# Altium PCB UZ_A_MAX11331_Adapter.PcbDoc (part 1 of 2) (continued)
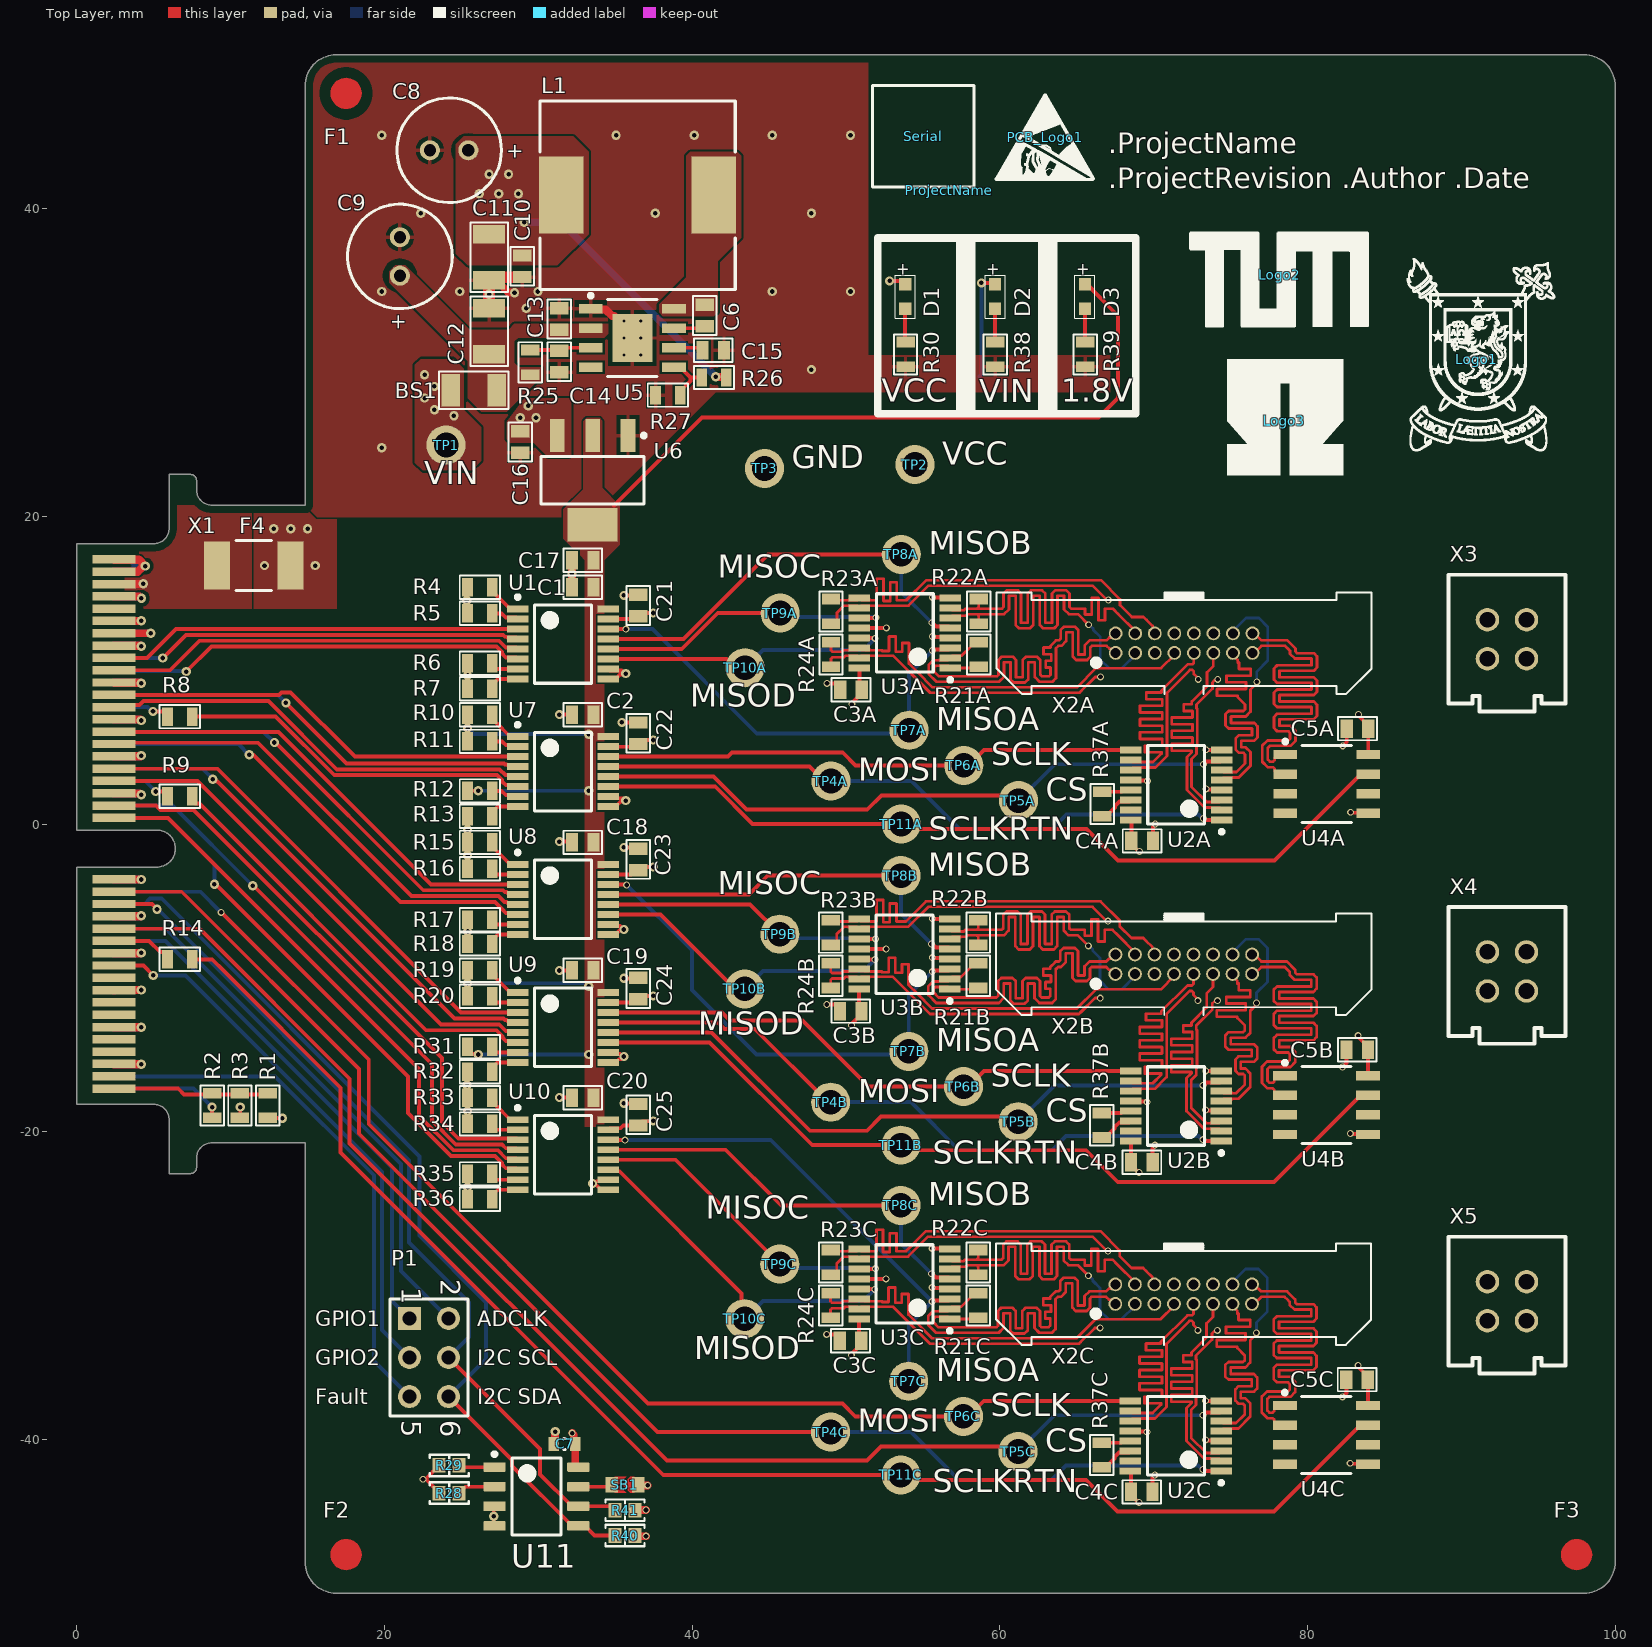
[diagram p0: Top Layer view]
## Components (designator, comment, footprint, x,y, rotation, side; value= is the part's Value field where it differs from the comment)
BS1 "Ferrite bead" RES_1206 24.305,28.194 r270 top
C1 "100nF" CAP_0603 33.581,15.4 r270 top
C2 "100nF" CAP_0603 33.581,7.1 r270 top
C3A "100nF" CAP_0603 51.024,8.719 r270 top (schematic designator C3)
C3B "100nF" CAP_0603 51.005,-12.16 r270 top (schematic designator C3)
C3C "100nF" CAP_0603 50.999,-33.603 r270 top (schematic designator C3)
C4A "100nF" CAP_0603 68.553,-1.102 r90 top (schematic designator C4)
C4B "100nF" CAP_0603 68.533,-21.981 r90 top (schematic designator C4)
C4C "100nF" CAP_0603 68.528,-43.423 r90 top (schematic designator C4)
C5A "100nF" CAP_0603 83.954,6.205 r270 top (schematic designator C5)
C5B "100nF" CAP_0603 83.934,-14.674 r270 top (schematic designator C5)
C5C "100nF" CAP_0603 83.929,-36.116 r270 top (schematic designator C5)
C6 "100nF" CAP_0603 40.808,33.759 r0 top
C7 "100 nF" C_0603 31.7,-40.3 r180 top
C8 "68µF" WCAP-ATG8_6.3X11 24.2,43.8 r0 top
C9 "68µF" WCAP-ATG8_6.3X11 21,36.9 r270 top
C10 "100nF" CAP_0603 28.956,36.957 r0 top
C11 "10µF" RES_1206 26.797,38.354 r180 top
C12 "10µF" RES_1206 26.797,30.528 r0 top
C13 "100nF" CAP_0603 31.368,32.129 r180 top
C14 "1µF" CAP_0603 31.368,30.759 r0 top
C15 "1µF" CAP_0603 40.667,30.806 r90 top
C16 "1µF" CAP_0603 28.829,25.53 r0 top
C17 "1µF" CAP_0603 33.581,17.145 r270 top
C18 "100nF" CAP_0603 33.581,-1.2 r270 top
C19 "100nF" CAP_0603 33.581,-9.5 r270 top
C20 "100nF" CAP_0603 33.581,-17.8 r270 top
C21 "100nF" CAP_0603 36.5,13.5 r180 top
C22 "100nF" CAP_0603 36.5,5.2 r180 top
C23 "100nF" CAP_0603 36.5,-3 r180 top
C24 "100nF" CAP_0603 36.5,-11.4 r180 top
C25 "100nF" CAP_0603 36.5,-19.6 r180 top
D1 "Bright Green, 2V" WL-SMCW_0603_H=0.7MM 53.848,34.29 r90 top
D2 "Blue, 3.2V" WL-SMCW_0603_H=0.7MM 59.69,34.29 r90 top
D3 "Super Red, 1.9V" WL-SMCW_0603_H=0.7MM 65.532,34.29 r90 top
F1 "Fiducial" FIDUCIAL_1.7MM 17.5,47.5 r0 top
F2 "Fiducial" FIDUCIAL_1.7MM 17.5,-47.5 r0 top
F3 "Fiducial" FIDUCIAL_1.7MM 97.5,-47.5 r0 top
F4 "Littelfuse_PTC_1812" 1812_PTC_Polyfuse_Littelfuse 11.5,16.8 r0 top value="PTC, 1.1 A, 24V"
L1 "15uH" SMT_INDUCTOR_1050_PERFORMANCE 36.449,40.894 r270 top
Logo1 "LOGO USACH" "LOGO USACH" 91,30.2 r0 top
Logo2 "LOGO TUM" "LOGO TUM" 78.2,35.7 r0 top
Logo3 "LOGO G.S. Ohm" "LOGO G.S.OHM UNIVERSITY" 78.5,26.2 r0 top
P1 "Header 3X2" HDR2X3 21.62,-32.144 r270 top
PCB_Logo1 "ESD Susceptible" ESD_OVERLAY_MEDIUM 62.941,44.638 r0 top
ProjectName "Project Name, Rev" ID_PROJECTREV 56.7,41.2 r0 top
R1 "DNP" RES_0603 12.4,-17.5 r0 top value=0
R2 "0R" RES_0603 8.8,-19.1 r180 top
R3 "DNP" RES_0603 10.6,-17.5 r0 top value=0
R4 "10k" RES_0603 25.4,15.4 r90 top
R5 "10k" RES_0603 25.4,13.694 r90 top
R6 "10k" RES_0603 25.4,10.45 r90 top
R7 "10k" RES_0603 25.4,8.8 r90 top
R8 "0R" RES_0603 7.493,6.985 r270 top
R9 "0R" RES_0603 7.493,1.8 r270 top
R10 "10k" RES_0603 25.4,7.1 r90 top
R11 "10k" RES_0603 25.4,5.368 r90 top
R12 "10k" RES_0603 25.4,2.15 r90 top
R13 "10k" RES_0603 25.4,0.5 r90 top
R14 "0R" RES_0603 5.893,-8.8 r90 top
R15 "10k" RES_0603 25.4,-1.2 r90 top
R16 "10k" RES_0603 25.4,-2.9 r90 top
R17 "10k" RES_0603 25.4,-6.226 r90 top
R18 "10k" RES_0603 25.4,-7.8 r90 top
R19 "10k" RES_0603 25.4,-9.5 r90 top
R20 "10k" RES_0603 25.4,-11.2 r90 top
R21A "100R" RES_0603 58.624,10.219 r180 top (schematic designator R21)
R21B "100R" RES_0603 58.605,-10.66 r180 top (schematic designator R21)
R21C "100R" RES_0603 58.599,-32.103 r180 top (schematic designator R21)
R22A "100R" RES_0603 58.624,14.619 r0 top (schematic designator R22)
R22B "100R" RES_0603 58.605,-6.26 r0 top (schematic designator R22)
R22C "100R" RES_0603 58.599,-27.703 r0 top (schematic designator R22)
R23A "100R" RES_0603 49.024,14.619 r0 top (schematic designator R23)
R23B "100R" RES_0603 49.005,-6.26 r0 top (schematic designator R23)
R23C "100R" RES_0603 48.999,-27.703 r0 top (schematic designator R23)
R24A "100R" RES_0603 49.024,10.219 r180 top (schematic designator R24)
R24B "100R" RES_0603 49.005,-10.66 r180 top (schematic designator R24)
R24C "100R" RES_0603 48.999,-32.103 r180 top (schematic designator R24)
R25 "2.2M" RES_0603 29.464,30.809 r0 top
R26 "100k" RES_0603 40.617,29.028 r90 top
R27 "38.3k" RES_0603 37.622,27.885 r90 top
R28 "4k7" "RES 0603_1608" 24.2,-43.5 r180 top
R29 "4k7" "RES 0603_1608" 24.2,-41.7 r180 top
R30 "220" RES_0603 53.87,29.727 r180 top
R31 "10k" RES_0603 25.4,-14.475 r90 top
R32 "10k" RES_0603 25.4,-16.1 r90 top
R33 "10k" RES_0603 25.4,-17.8 r90 top
R34 "10k" RES_0603 25.4,-19.5 r90 top
R35 "10k" RES_0603 25.4,-22.75 r90 top
R36 "10k" RES_0603 25.4,-24.4 r90 top
R37A "100R" RES_0603 66.653,0.498 r180 top (schematic designator R37)
R37B "100R" RES_0603 66.633,-20.381 r180 top (schematic designator R37)
R37C "100R" RES_0603 66.628,-41.823 r180 top (schematic designator R37)
R38 "20k" RES_0603 59.712,31.327 r0 top
R39 "100R" RES_0603 65.554,31.327 r0 top
R40 "100k" "RES 0603_1608" 35.634,-46.258 r0 top
R41 "100k" "RES 0603_1608" 35.634,-44.613 r0 top
SB1 "Solder Bump 0603" SB_0603 35.623,-42.956 r0 top
Serial "Serialnumber 6,3 x 6.3mm" SERIAL_6.3X6.3MM 55.013,44.704 r180 top
TP1 "VIN" TP_1.6MM 24.003,24.638 r0 top
TP2 "VCC" TP_1.6MM 54.483,23.368 r0 top
TP3 "GND" TP_1.6MM 44.704,23.114 r0 top
TP4A "MOSI" TP_1.6MM 49.022,2.794 r0 top (schematic designator TP4)
TP4B "MOSI" TP_1.6MM 49.002,-18.085 r0 top (schematic designator TP4)
TP4C "MOSI" TP_1.6MM 48.997,-39.527 r0 top (schematic designator TP4)
TP5A "CS" TP_1.6MM 61.214,1.524 r0 top (schematic designator TP5)
TP5B "CS" TP_1.6MM 61.194,-19.355 r0 top (schematic designator TP5)
TP5C "CS" TP_1.6MM 61.189,-40.797 r0 top (schematic designator TP5)
TP6A "SCLK" TP_1.6MM 57.658,3.81 r0 top (schematic designator TP6)
TP6B "SCLK" TP_1.6MM 57.638,-17.069 r0 top (schematic designator TP6)
TP6C "SCLK" TP_1.6MM 57.633,-38.511 r0 top (schematic designator TP6)
TP7A "MISOA" TP_1.6MM 54.102,6.096 r0 top (schematic designator TP7)
TP7B "MISOA" TP_1.6MM 54.082,-14.783 r0 top (schematic designator TP7)
TP7C "MISOA" TP_1.6MM 54.077,-36.225 r0 top (schematic designator TP7)
TP8A "MISOB" TP_1.6MM 53.594,17.526 r0 top (schematic designator TP8)
TP8B "MISOB" TP_1.6MM 53.574,-3.353 r0 top (schematic designator TP8)
TP8C "MISOB" TP_1.6MM 53.569,-24.795 r0 top (schematic designator TP8)
TP9A "MISOC" TP_1.6MM 45.72,13.716 r90 top (schematic designator TP9)
TP9B "MISOC" TP_1.6MM 45.7,-7.163 r90 top (schematic designator TP9)
TP9C "MISOC" TP_1.6MM 45.695,-28.605 r90 top (schematic designator TP9)
TP10A "MISOD" TP_1.6MM 43.434,10.16 r90 top (schematic designator TP10)
TP10B "MISOD" TP_1.6MM 43.414,-10.719 r90 top (schematic designator TP10)
TP10C "MISOD" TP_1.6MM 43.409,-32.161 r90 top (schematic designator TP10)
TP11A "SCLKRTN" TP_1.6MM 53.594,0 r0 top (schematic designator TP11)
TP11B "SCLKRTN" TP_1.6MM 53.574,-20.879 r0 top (schematic designator TP11)
TP11C "SCLKRTN" TP_1.6MM 53.569,-42.321 r0 top (schematic designator TP11)
U1 "SN74AVC4T774" TSOP65P640X120-16N 31.6,11.7 r0 top
U2A "Quad LVDS driver" TSOP65P640X120-16N 71.468,2.545 r180 top (schematic designator U2)
U2B "Quad LVDS driver" TSOP65P640X120-16N 71.448,-18.334 r180 top (schematic designator U2)
U2C "Quad LVDS driver" TSOP65P640X120-16N 71.443,-39.776 r180 top (schematic designator U2)
U3A "Quad LVDS reciever" TSOP65P640X120-16N 53.824,12.419 r180 top (schematic designator U3)
U3B "Quad LVDS reciever" TSOP65P640X120-16N 53.805,-8.46 r180 top (schematic designator U3)
U3C "Quad LVDS reciever" TSOP65P640X120-16N 53.799,-29.903 r180 top (schematic designator U3)
U4A "Signle LVDS receiver" SOIC127P600X170_HS-9N_NO_THP 81.254,2.605 r0 top (schematic designator U4)
U4B "Signle LVDS receiver" SOIC127P600X170_HS-9N_NO_THP 81.234,-18.274 r0 top (schematic designator U4)
U4C "Signle LVDS receiver" SOIC127P600X170_HS-9N_NO_THP 81.229,-39.716 r0 top (schematic designator U4)
U5 "buck converter" SOIC127P600X170_HS-9N 36.108,31.594 r0 top
U6 "1.8V LDO" SOT230P700X170-4N 33.528,22.352 r270 top
U7 "SN74AVC4T774" TSOP65P640X120-16N 31.6,3.4 r0 top
U8 "SN74AVC4T774" TSOP65P640X120-16N 31.6,-4.9 r0 top
U9 "SN74AVC4T774" TSOP65P640X120-16N 31.6,-13.225 r0 top
U10 "SN74AVC4T774" TSOP65P640X120-16N 31.6,-21.5 r0 top
U11 "M24C02-WMN6TP" D0008A_N 29.876,-43.718 r0 top
X1 "HSEC8-140-01-XX-DV-A-BL-CARD" HSEC8-140-01-XX-DV-A-BL-CARD 0,0 r270 bottom locked
X2A "2x8 Pin" EHF-108-01-F-D 71.978,11.76 r0 top (schematic designator X2)
X2B "2x8 Pin" EHF-108-01-F-D 71.958,-9.119 r0 top (schematic designator X2)
X2C "2x8 Pin" EHF-108-01-F-D 71.953,-30.561 r0 top (schematic designator X2)
X3 "IPL1-102-01-L-D-K" IPL1-102-01-L-D-K 92.97,12.014 r0 top
X4 "IPL1-102-01-L-D-K" IPL1-102-01-L-D-K 92.97,-9.586 r0 top
X5 "IPL1-102-01-L-D-K" IPL1-102-01-L-D-K 92.97,-31.023 r0 top

## Footprints (in the part's own frame and the unit in brackets; to place one, negate y for a bottom-side part, rotate by r counter-clockwise, add the part's x,y. Pads: shape width x height; smd on the part's side, far side on the other; paste and mask are expansions set on the pad)
1812_PTC_Polyfuse_Littelfuse [mm] "Chip Fuse, 2-Leads, Body 4.6x3.24mm"
  rect 1.68x3.14 smd: 1(-2.39,0) 2(2.39,0)
  silkscreen extent -1.15,-1.62 1.15,1.62, body extent -2.3,-1.62 2.3,1.62, height 1.15
C_0603 [mm] "Chip Capacitor, Body 1.6x0.8mm, Height 1.0mm, IPC High Density"
  rect 0.7x0.9 smd: 1(-0.7,0) 2(0.7,0)
  silkscreen extent -0.05,-0.35 0.05,0.35, body extent -0.87,-0.47 0.88,0.48, height 1
CAP_0603 [mm] "CAP CER 0603"
  rect 1.2x0.8 smd: 1(0,0) 2(0,-1.4)
  silkscreen extent -0.76,-1.96 0.76,0.56, body extent -0.4,-1.46 0.4,0.14, height 0.4
D0008A_N [mm] "SOIC, 8-Leads, Body 5x4mm, Pitch 1.27mm, IPC Medium Density"
  rrect17% 1.45x0.6 smd: 1(-2.725,1.905) 2(-2.725,0.635) 3(-2.725,-0.635) 4(-2.725,-1.905) 5(2.725,-1.905) 6(2.725,-0.635) 7(2.725,0.635) 8(2.725,1.905)
  silkscreen extent -2.85,-2.5 1.6,2.88, body extent -3,-2.45 3,2.45, height 1.63
EHF-108-01-F-D [mm]
  round 0.9 hole 0.65: 1(-4.445,-0.635) 2(-4.445,0.635) 3(-3.175,-0.635) 4(-3.175,0.635) 5(-1.905,-0.635) 6(-1.905,0.635) 7(-0.635,-0.635) 8(-0.635,0.635) 9(0.635,-0.635) 10(0.635,0.635) 11(1.905,-0.635) 12(1.905,0.635) 13(3.175,-0.635) 14(3.175,0.635) 15(4.445,-0.635) 16(4.445,0.635)
  silkscreen extent -12.19,-3.3 12.19,3.3, body extent -12.32,-3.34 12.32,3.34, height 11.3
ESD_OVERLAY_MEDIUM [mm]
  silkscreen extent -3.22,-2.77 3.17,2.8
FIDUCIAL_1.7MM [mm] "Fiducial"
  Top Layer region: 0,-1.005 -0.385,-0.928 -0.711,-0.711 -0.928,-0.385 -1.005,0 -1.005,0 -0.928,0.385 -0.711,0.711 -0.385,0.928 0,1.005 0,1.005 0.385,0.928 0.711,0.711 0.928,0.385 1.005,0 1.005,0 0.928,-0.385 0.711,-0.711 0.385,-0.928 0,-1.005
  Top Layer pour cut-out: 0,-1.701 -0.651,-1.571 -1.203,-1.203 -1.571,-0.651 -1.701,0 -1.701,0 -1.571,0.651 -1.203,1.203 -0.651,1.571 0,1.701 0,1.701 0.651,1.571 1.203,1.203 1.571,0.651 1.701,0 1.701,0 1.571,-0.651 1.203,-1.203 0.651,-1.571 0,-1.701
  body extent -1.7,-1.7 1.7,1.7, height 1
HDR2X3 [mm] "Connector; Header; 3x2 Position"
  rect 1.5x1.5 hole 0.9: 1(0,0)
  round 1.5 hole 0.9: 2(0,2.54) 3(2.54,0) 4(2.54,2.54) 5(5.08,0) 6(5.08,2.54)
  silkscreen extent -1.27,-1.27 6.35,3.81
HSEC8-140-01-XX-DV-A-BL-CARD [mm]
  rect 0.55x2.8 smd far side paste-1.397 mask+0.05: 1(-17.2,-2.4) 3(-16.4,-2.4) 5(-15.6,-2.4) 7(-14.8,-2.4) 9(-14,-2.4) 11(-13.2,-2.4) 13(-12.4,-2.4) 15(-11.6,-2.4) 17(-10.8,-2.4) 19(-10,-2.4) 21(-9.2,-2.4) 23(-8.4,-2.4) 25(-7.6,-2.4) 27(-6.8,-2.4) 29(-6,-2.4) 31(-5.2,-2.4) 33(-4.4,-2.4) 35(-3.6,-2.4) 37(-2.8,-2.4) 39(-2,-2.4) 41(-1.2,-2.4) 43(-0.4,-2.4) 45(3.6,-2.4) 47(4.4,-2.4) 49(5.2,-2.4) 51(6,-2.4) 53(6.8,-2.4) 55(7.6,-2.4) 57(8.4,-2.4) 59(9.2,-2.4) 61(10,-2.4) 63(10.8,-2.4) 65(11.6,-2.4) 67(12.4,-2.4) 69(13.2,-2.4) 71(14,-2.4) 73(14.8,-2.4) 75(15.6,-2.4) 77(16.4,-2.4) 79(17.2,-2.4)
  rect 0.55x2.8 smd paste-1.397 mask+0.05: 2(-17.2,-2.4) 4(-16.4,-2.4) 6(-15.6,-2.4) 8(-14.8,-2.4) 10(-14,-2.4) 12(-13.2,-2.4) 14(-12.4,-2.4) 16(-11.6,-2.4) 18(-10.8,-2.4) 20(-10,-2.4) 22(-9.2,-2.4) 24(-8.4,-2.4) 26(-7.6,-2.4) 28(-6.8,-2.4) 30(-6,-2.4) 32(-5.2,-2.4) 34(-4.4,-2.4) 36(-3.6,-2.4) 38(-2.8,-2.4) 40(-2,-2.4) 42(-1.2,-2.4) 44(-0.4,-2.4) 46(3.6,-2.4) 48(4.4,-2.4) 50(5.2,-2.4) 52(6,-2.4) 54(6.8,-2.4) 56(7.6,-2.4) 58(8.4,-2.4) 60(9.2,-2.4) 62(10,-2.4) 64(10.8,-2.4) 66(11.6,-2.4) 68(12.4,-2.4) 70(13.2,-2.4) 72(14,-2.4) 74(14.8,-2.4) 76(15.6,-2.4) 78(16.4,-2.4) 80(17.2,-2.4)
ID_PROJECTREV [mm] "project name + revision number"
IPL1-102-01-L-D-K [mil]
  round 60 hole 40 mask+3: 1(-50,50) 2(50,50) 3(-50,-50) 4(50,-50)
  silkscreen extent -150,-185 150,165, body extent -130,-165 130,145, height 320
"LOGO G.S.OHM UNIVERSITY" [mm] "9.5 x 12.6 mm"
  silkscreen extent -3.72,-3.5 3.83,4.01
"LOGO TUM" [mm] "9.5 x 12.6 mm"
  silkscreen extent -5.87,-3.37 5.79,2.8
"LOGO USACH" [mm] "9.5 x 12.6 mm"
  silkscreen extent -4.53,-5.94 5.09,6.59
"RES 0603_1608" [mm] "Chip Resistor, 2-Leads, Body 1.60x0.80mm, IPC Medium Density"
  rect 0.85x0.95 smd: 1(-0.65,0) 2(0.65,0)
  silkscreen extent -1.27,-0.7 1.27,0.7, body extent -0.8,-0.4 0.8,0.4, height 0.45
RES_0603 [mm] "RES 0603"
  rect 1.2x0.7 smd: 1(0,0) 2(0,-1.6)
  silkscreen extent -0.76,-2.11 0.76,0.51, body extent -0.45,-1.59 0.45,0.01, height 0.5
RES_1206 [mm] "RES 1206"
  rect 2.1x1.2 smd: 1(0,0) 2(0,3)
  silkscreen extent -1.22,-0.76 1.22,3.76, body extent -0.8,-0.08 0.8,3.12, height 0.6
SB_0603 [mil] "Solder Bump"
  rect 32x40 smd: 1(33.75,0) 2(-33.75,0)
  Top Layer region: -26.25,0 -16.25,0 3.75,-20 -26.25,-20
  Top Layer region: -26.25,0 -16.25,0 3.75,20 -26.25,20
  Top Layer region: 23.75,20 13.75,20 -6.25,0 13.75,-20 23.75,-20
SERIAL_6.3X6.3MM [mm]
  silkscreen extent -3.3,-3.3 3.3,3.3
SMT_INDUCTOR_1050_PERFORMANCE [mm] "SMD Shielded Power Inductor, 2-leads, body 10.3x10.5mm"
  rect 5x2.9 smd: 1(0,4.95) 2(0,-4.95)
  silkscreen extent -6.1,-6.35 6.15,6.35, body extent -6.15,-6.15 6.15,6.15, height 10.16
SOIC127P600X170_HS-9N [mm] "SOIC, 8-Leads, Body 4,90x3,90mm, Pitch 1,27mm, Thermal Pad 3,10x2,60mm, IPC Medium Density"
  rect 1.55x0.6 smd: 1(-2.7,1.905) 2(-2.7,0.635) 3(-2.7,-0.635) 4(-2.7,-1.905) 5(2.7,-1.905) 6(2.7,-0.635) 7(2.7,0.635) 8(2.7,1.905)
  rect 2.6x3.1 smd: 9(0,0)
  silkscreen extent -2.82,-2.5 1.6,2.88, body extent -3,-2.45 3,2.45, height 1.75
SOIC127P600X170_HS-9N_NO_THP [mm] "SOIC, 8-Leads, Body 4,90x3,90mm, Pitch 1,27mm, Thermal Pad 3,10x2,60mm, IPC Medium Density"
  rect 1.55x0.6 smd: 1(-2.7,1.905) 2(-2.7,0.635) 3(-2.7,-0.635) 4(-2.7,-1.905) 5(2.7,-1.905) 6(2.7,-0.635) 7(2.7,0.635) 8(2.7,1.905)
  silkscreen extent -2.82,-2.5 1.6,2.88, body extent -2.99,-2.46 3.01,2.44, height 1.75
SOT230P700X170-4N [mm] "SOT223, 4-Leads, Body 6,50x7,00mm (avg), Pitch 2,30mm, IPC Medium Density"
  rect 2.15x0.95 smd: 1(-2.9,2.3) 2(-2.9,0) 3(-2.9,-2.3)
  rect 2.15x3.25 smd: 4(2.9,0)
  silkscreen extent -3.02,-3.35 1.55,3.45, body extent -1.85,-3.35 1.85,3.35, height 1.7
TP_1.6MM [mm]
  round 2.54 hole 1.6: 1(0,0)
  body extent -1.59,-1.66 1.59,1.51, height 5.74
TSOP65P640X120-16N [mm] "TSOP, 16-Leads, Body 5,00x4,40mm, Pitch 0,65mm, IPC Medium Density"
  rect 1.4x0.45 smd: 1(-2.95,2.275) 2(-2.95,1.625) 3(-2.95,0.975) 4(-2.95,0.325) 5(-2.95,-0.325) 6(-2.95,-0.975) 7(-2.95,-1.625) 8(-2.95,-2.275) 9(2.95,-2.275) 10(2.95,-1.625) 11(2.95,-0.975) 12(2.95,-0.325) 13(2.95,0.325) 14(2.95,0.975) 15(2.95,1.625) 16(2.95,2.275)
  silkscreen extent -3.07,-2.55 1.85,3.17, body extent -3.2,-2.5 3.2,2.5, height 1.1
WCAP-ATG8_6.3X11 [mm] "Aluminum Electrolytic Capacitors, 6.3x11mm"
  round 1.3 hole 0.8: 1(-1.25,0) 2(1.25,0)
  silkscreen extent -3.4,-3.4 3.4,3.4, body extent -3.14,-3.15 3.15,3.15, height 11.31
WL-SMCW_0603_H=0.7MM [mm] "SMD Mono-color Chip LED, body 1.6x0.8mm"
  rect 0.8x0.8 smd: 1(-0.8,0) 2(0.8,0)
  silkscreen extent -1.4,-0.65 1.4,0.65, body extent -0.8,-0.4 0.8,0.4, height 0.7

## Part data
BS1: library part Bead, "6A", LCSC Part Number=C5271178, MPN=742792121, Package=1206, Supplier Part Number 1=732-4654-1-ND, DCR=60mOhm, I_r=3A, MF="Würth Elektronik", Supplier 1=Digikey
C1 C2 C3A C3B C3C C4A C4B C4C C5A C5B C5C C6 C10 C13 C18 C19 C20 C21 C22 C23 C24 C25: library part Cap_0603, "Capacitor", Dielectricum=X7R, LCSC Part Number=C14663, MPN=C0603C104M5RACTU, Package=0603, Supplier Part Number 1=399-7845-1-ND, Tolerance=10%, Voltage=35V, LatestRevisionDate=17-Jul-2002, LatestRevisionNote="Re-released for DXP Platform.", MF=KEMET, PackageReference=RAD-0.3, Published=8-Jun-2000, Publisher="Altium Limited", Rule=PcbType=ProtelPcb, Supplier 1=Digikey
  C6: Supplier 2=Mouser
C7: library part C0603C104K9PACTU, "Capacitor 0603, 6.3 VDC, 100 nF, X5R", Device Package=0603, LCSC Part Number=C14663, Manufacturer=KEMET, Operating Temperature="-55 - 85°C", Supplier Part Number 1=80-C0603C104K9P, Tolerance="10 %", Voltage Rating="6.3 VDC", Component Type="Capacitor 0603", ComponentLink1Description=Datasheet, ComponentLink1URL=https://www.mouser.de/datasheet/2/212/KEM_C1006_X5R_SMD-1103249.pdf, Created from=MGremer, Created On="20.12.2020 13:54:13", Last Updated="20.01.2021 13:57:36", Live Cycle Status=1, Manufacturer Part Number=C0603C104K9PACTU, Mounting Type=SMD, PartID=70, Series="SMD Comm X5R", Stock number="not stored", Supplier 1=Mouser, Type=Capacitor
C8 C9: library part 860010573006, "WCAP-ATG8 THT Aluminum Electrolytic Capacitors, D6.3mm x L11mm, 68uF, +/-20%, 35VDC", LCSC Part Number=C1668506, Leakage Current=23.8uA, Operating Temperature="-40 to +85degC", Ripple Current max.=198mA, Supplier Part Number 1=732-8736-1-ND, Tolerance=+/-20%, Voltage=35V, ComponentLink1Description=Manufacturer, ComponentLink1URL=http://www.we-online.de, ComponentLink2Description=Datasheet, ComponentLink2URL=https://katalog.we-online.com/pbs/datasheet/860010573006.pdf, Diameter=6.3mm, Dissipation Factor=12%, Endurance=2000h, Length=11mm, Mounting Technology=THT, Packaging="Ammo Pack", Part Number=860010573006, Published Date="August 2019", Publisher="Wurth Elektronik", Supplier 1=Digikey, Technical Reference=ATBD110680M035DSPA4B000
C11 C12: library part Cap_1206, "Capacitor", Dielectricum=X7R, LCSC Part Number=C123678, MPN=GRM319R6YA106KA12D, Package=1206, Supplier Part Number 1=490-9964-1-ND, Tolerance=10%, Voltage="35 V", Supplier 1=Digikey
C14 C15 C16 C17: library part Cap_0603, "Capacitor Ceramic", Dielectricum=X7R, LCSC Part Number=C2177372, MPN=C0603C105K3RACTU, Package=0603, Supplier Part Number 1=399-7376-1-ND, Tolerance=10%, Voltage="50 V", MF=KEMET, Supplier 1=Digikey
D1: library part 150060VS75000, "WL-SMCW SMT Mono-color Chip LED Waterclear, size 0603, Bright Green, 2V, 140deg", Emitting Color="Bright Green", Forward Voltage typ.=2V, Operating Temperature="-40 to +85degC", Package=0603, Supplier Part Number 1=732-4980-1-ND, Chip Technology=AlInGaP, ComponentLink1Description=Manufacturer, ComponentLink1URL=http://www.we-online.de, ComponentLink2Description=Datasheet, ComponentLink2URL=https://www.we-online.com/catalog/datasheet/150060VS75000.pdf, Dominant Wavelength typ.=570nm, Luminous Intensity typ.=40mcd, MF="Wurth Elektronik", Mounting Technology=SMT, MPN=150060VS75000, Packaging="Tape and Reel", Peak Wavelength typ.=572nm, Published Date="December 2019", Size=0603, Supplier 1=Digikey, Viewing Angle=140deg
D2: library part 150060BS75000, "WL-SMCW SMT Mono-color Chip LED Waterclear, size 0603, Blue, 3.2V, 140deg", Emitting Color=Blue, Forward Voltage typ.=3.2V, Operating Temperature="-40 to +85degC", Package=0603, Supplier Part Number 1=732-4966-1-ND, Chip Technology=InGaN, ComponentLink1Description=Manufacturer, ComponentLink1URL=http://www.we-online.de, ComponentLink2Description=Datasheet, ComponentLink2URL=https://www.we-online.com/catalog/datasheet/150060BS75000.pdf, Dominant Wavelength typ.=470nm, Luminous Intensity typ.=145mcd, MF="Wurth Elektronik", Mounting Technology=SMT, MPN=150060BS75000, Packaging="Tape and Reel", Peak Wavelength typ.=465nm, Published Date="December 2019", Size=0603, Supplier 1=Digikey, Viewing Angle=140deg
D3: library part 150060SS75000, "WL-SMCW SMT Mono-color Chip LED Waterclear, size 0603, Super Red, 1.9V, 140deg", Emitting Color="Super Red", Forward Voltage typ.=1.9V, Operating Temperature="-40 to +85degC", Package=0603, Supplier Part Number 1=732-4979-1-ND, Chip Technology=AlInGaP, ComponentLink1Description=Manufacturer, ComponentLink1URL=http://www.we-online.de, ComponentLink2Description=Datasheet, ComponentLink2URL=https://www.we-online.com/catalog/datasheet/150060SS75000.pdf, Dominant Wavelength typ.=630nm, Luminous Intensity typ.=60mcd, MF="Wurth Elektronik", Mounting Technology=SMT, MPN=150060SS75000, Packaging="Tape and Reel", Peak Wavelength typ.=645nm, Published Date="December 2019", Size=0603, Supplier 1=Digikey, Viewing Angle=140deg
F1 F2 F3: "Fiducial for Assembler"
F4: "POLYSWITCH RESETTABLE DEVICES", Hold Current=1.1A, LCSC Part Number=C70119, Manufacturer=Littelfuse, MPN=miniASMDC110F/24, Nominal current="1 A", Operating Temperature="-40 - 85 °C", Package=1812, Resistance="0.18 Ohm", Supplier Part Number 1=530-0ZCG0150BF2C, Trip Current=2.2A, Voltage=24V, Component Type=Littelfuse_PTC_1812, ComponentLink1Description=Datasheet, ComponentLink1URL=https://www.littelfuse.com/~/media/electronics/datasheets/resettable_ptcs/littelfuse_ptc_surface_mount_catalog_datasheet.pdf.pdf, Created=2019_02_10_AGeiger, Created from=MHlatky, Created On="07.05.2021 06:50:33", Last Updated="27.05.2022 15:06:17", Live Cycle Status=1, Manufacturer Part Number=Littelfuse_PTC_1812, MF=Littelfuse, Mounting Type=SMD, PartID=5, Supplier 1=Mouser, Type=Fuse
L1: library part B82464G4154M, "SMT power Inductor, 15uH, 40m DRC", LCSC Part Number=C6818993, Rated Current="3.7 A", Supplier Part Number 1=811-3837-1-ND, DCR=40m, MF=Murata, Supplier 1=Digikey, Supplier 2=Mouser
P1: "Header, 3-Pin, Dual row", LatestRevisionDate=17-Jul-2002, LatestRevisionNote="Re-released for DXP Platform.", Publisher="Altium Limited"
PCB_Logo1: library part LOGO_ESD_Susceptible, "ESD Susceptible Symbol", Created=2018_11_25_AGeiger
ProjectName: library part ID_ProjectRev, "Project Name and Revision Number", Created=2018_11_23_AGeiger
R1 R2 R3: library part Res0603, MPN=CRCW06030000Z0EA, Package=0603, Supplier Part Number 1=311-0.0GRCT-ND, Tolerance=1%, LatestRevisionDate=17-Jul-2002, LatestRevisionNote="Re-released for DXP Platform.", PackageDescription="Axial Device, Thru-Hole; 2 Leads; 0.3 in Pin Spacing", PackageReference=AXIAL-0.3, Published=8-Jun-2000, Publisher="Altium Limited", Supplier 1=Digikey
R4 R5 R6 R7 R10 R11 R12 R13 R15 R16 R17 R18 R19 R20 R31 R32 R33 R34 R35 R36: library part Res0603, Package=0603, Supplier Part Number 1=311-10.0KHRCT-ND, Tolerance=1%, LatestRevisionDate=17-Jul-2002, LatestRevisionNote="Re-released for DXP Platform.", PackageDescription="Axial Device, Thru-Hole; 2 Leads; 0.3 in Pin Spacing", PackageReference=AXIAL-0.3, Published=8-Jun-2000, Publisher="Altium Limited", Supplier 1=Digikey
R8 R9 R14: library part Res0603, Package=0603, Supplier Part Number 1=311-0.0GRCT-ND, Tolerance=1%, LatestRevisionDate=17-Jul-2002, LatestRevisionNote="Re-released for DXP Platform.", PackageDescription="Axial Device, Thru-Hole; 2 Leads; 0.3 in Pin Spacing", PackageReference=AXIAL-0.3, Published=8-Jun-2000, Publisher="Altium Limited", Supplier 1=Digikey
R21A R21B R21C R22A R22B R22C R23A R23B R23C R24A R24B R24C R37A R37B R37C R39: library part Res0603, LCSC Part Number=C22775, Package=0603, Supplier Part Number 1=311-100HRCT-ND, Tolerance=1%, LatestRevisionDate=17-Jul-2002, LatestRevisionNote="Re-released for DXP Platform.", PackageDescription="Axial Device, Thru-Hole; 2 Leads; 0.3 in Pin Spacing", PackageReference=AXIAL-0.3, Published=8-Jun-2000, Publisher="Altium Limited", Supplier 1=Digikey
R25: library part Res0603, MPN=RC0603FR-072M2L, Package=0603, Supplier Part Number 1=YAG3329CT-ND, Tolerance=1%, LatestRevisionDate=17-Jul-2002, LatestRevisionNote="Re-released for DXP Platform.", MF=Yageo, PackageDescription="Axial Device, Thru-Hole; 2 Leads; 0.3 in Pin Spacing", PackageReference=AXIAL-0.3, Published=8-Jun-2000, Publisher="Altium Limited", Supplier 1=Digikey
R26: library part Res0603, MPN=RC0603FR-07100KL, Package=0603, Supplier Part Number 1=311-100KHRCT-ND, Tolerance=1%, LatestRevisionDate=17-Jul-2002, LatestRevisionNote="Re-released for DXP Platform.", MF=Yageo, PackageDescription="Axial Device, Thru-Hole; 2 Leads; 0.3 in Pin Spacing", PackageReference=AXIAL-0.3, Published=8-Jun-2000, Publisher="Altium Limited", Supplier 1=Digikey
R27: library part Res0603, Package=0603, Supplier Part Number 1=311-38.3KHRCT-ND, Tolerance=1%, LatestRevisionDate=17-Jul-2002, LatestRevisionNote="Re-released for DXP Platform.", PackageDescription="Axial Device, Thru-Hole; 2 Leads; 0.3 in Pin Spacing", PackageReference=AXIAL-0.3, Published=8-Jun-2000, Publisher="Altium Limited", Supplier 1=Digikey, Supplier 2=Mouser
R28 R29: library part 0603WAF4701T5E, "SMD resistor E24 series", Device Package=0603, LCSC Part Number=C23162, Manufacturer=UNI-ROYAL, Tolerance=1%, Component Type="SMD resistor", ComponentLink1Description=Datasheet, ComponentLink1URL=https://datasheet.lcsc.com/lcsc/2206010116_UNI-ROYAL-Uniroyal-Elec-0603WAF4701T5E_C23162.pdf, Created from=AGeiger, Created On="14.12.2020 16:17:14", Last Updated="25.08.2022 20:03:04", Live Cycle Status=1, Manufacturer Part Number=0603WAF4701T5E, Mounting Type=SMD, PartID=90, Stock number="Labor SMD Container", Supplier 1=LCSC, Supplier Part Number 1=C23162, Type=Resistor
R30: library part Res0603, MPN=RC0603JR-07220RL, Package=0603, Supplier Part Number 1=311-220GRCT-ND, Tolerance=1%, LatestRevisionDate=17-Jul-2002, LatestRevisionNote="Re-released for DXP Platform.", PackageDescription="Axial Device, Thru-Hole; 2 Leads; 0.3 in Pin Spacing", PackageReference=AXIAL-0.3, Published=8-Jun-2000, Publisher="Altium Limited", Supplier 1=Digikey, Supplier 2=Mouser
R38: library part Res0603, MPN=RC0603FR-07330RL, Package=0603, Supplier Part Number 1=311-330HRCT-ND, Tolerance=1%, LatestRevisionDate=17-Jul-2002, LatestRevisionNote="Re-released for DXP Platform.", PackageDescription="Axial Device, Thru-Hole; 2 Leads; 0.3 in Pin Spacing", PackageReference=AXIAL-0.3, Published=8-Jun-2000, Publisher="Altium Limited", Supplier 1=Digikey
R40 R41: library part RK73B1JTTD104J, "SMD resistor E24 series", Device Package=0603, LCSC Part Number=C25803, Manufacturer="KOA Speer", Supplier Part Number 1=660-RK73B1JTTD104J, Tolerance=5%, Component Type="SMD resistor", ComponentLink1Description=Datasheet, ComponentLink1URL=https://www.mouser.de/datasheet/2/219/RK73B-1825463.pdf, Created from=MGremer, Created On="14.12.2020 16:17:14", Last Updated="27.05.2022 14:04:10", Live Cycle Status=1, Manufacturer Part Number=RK73B1JTTD104J, Mounting Type=SMD, PartID=122, Stock number="Labor SMD Container", Supplier 1=Mouser, Type=Resistor